# Altium PCB HVSUP_ISOL.PCBDOC (part 1 of 3)
Units mm, origin at the board's own origin, x right, y up, seen from the top; angles counter-clockwise.
Board outline 222.63 x 100.1 mm, 4 copper layers (Top, L2, L3, Bot), stack 1.6 mm thick; 181 components, 125 nets, 625 pads, 624 vias.
Unrouted connection lines stored in the file: 1.
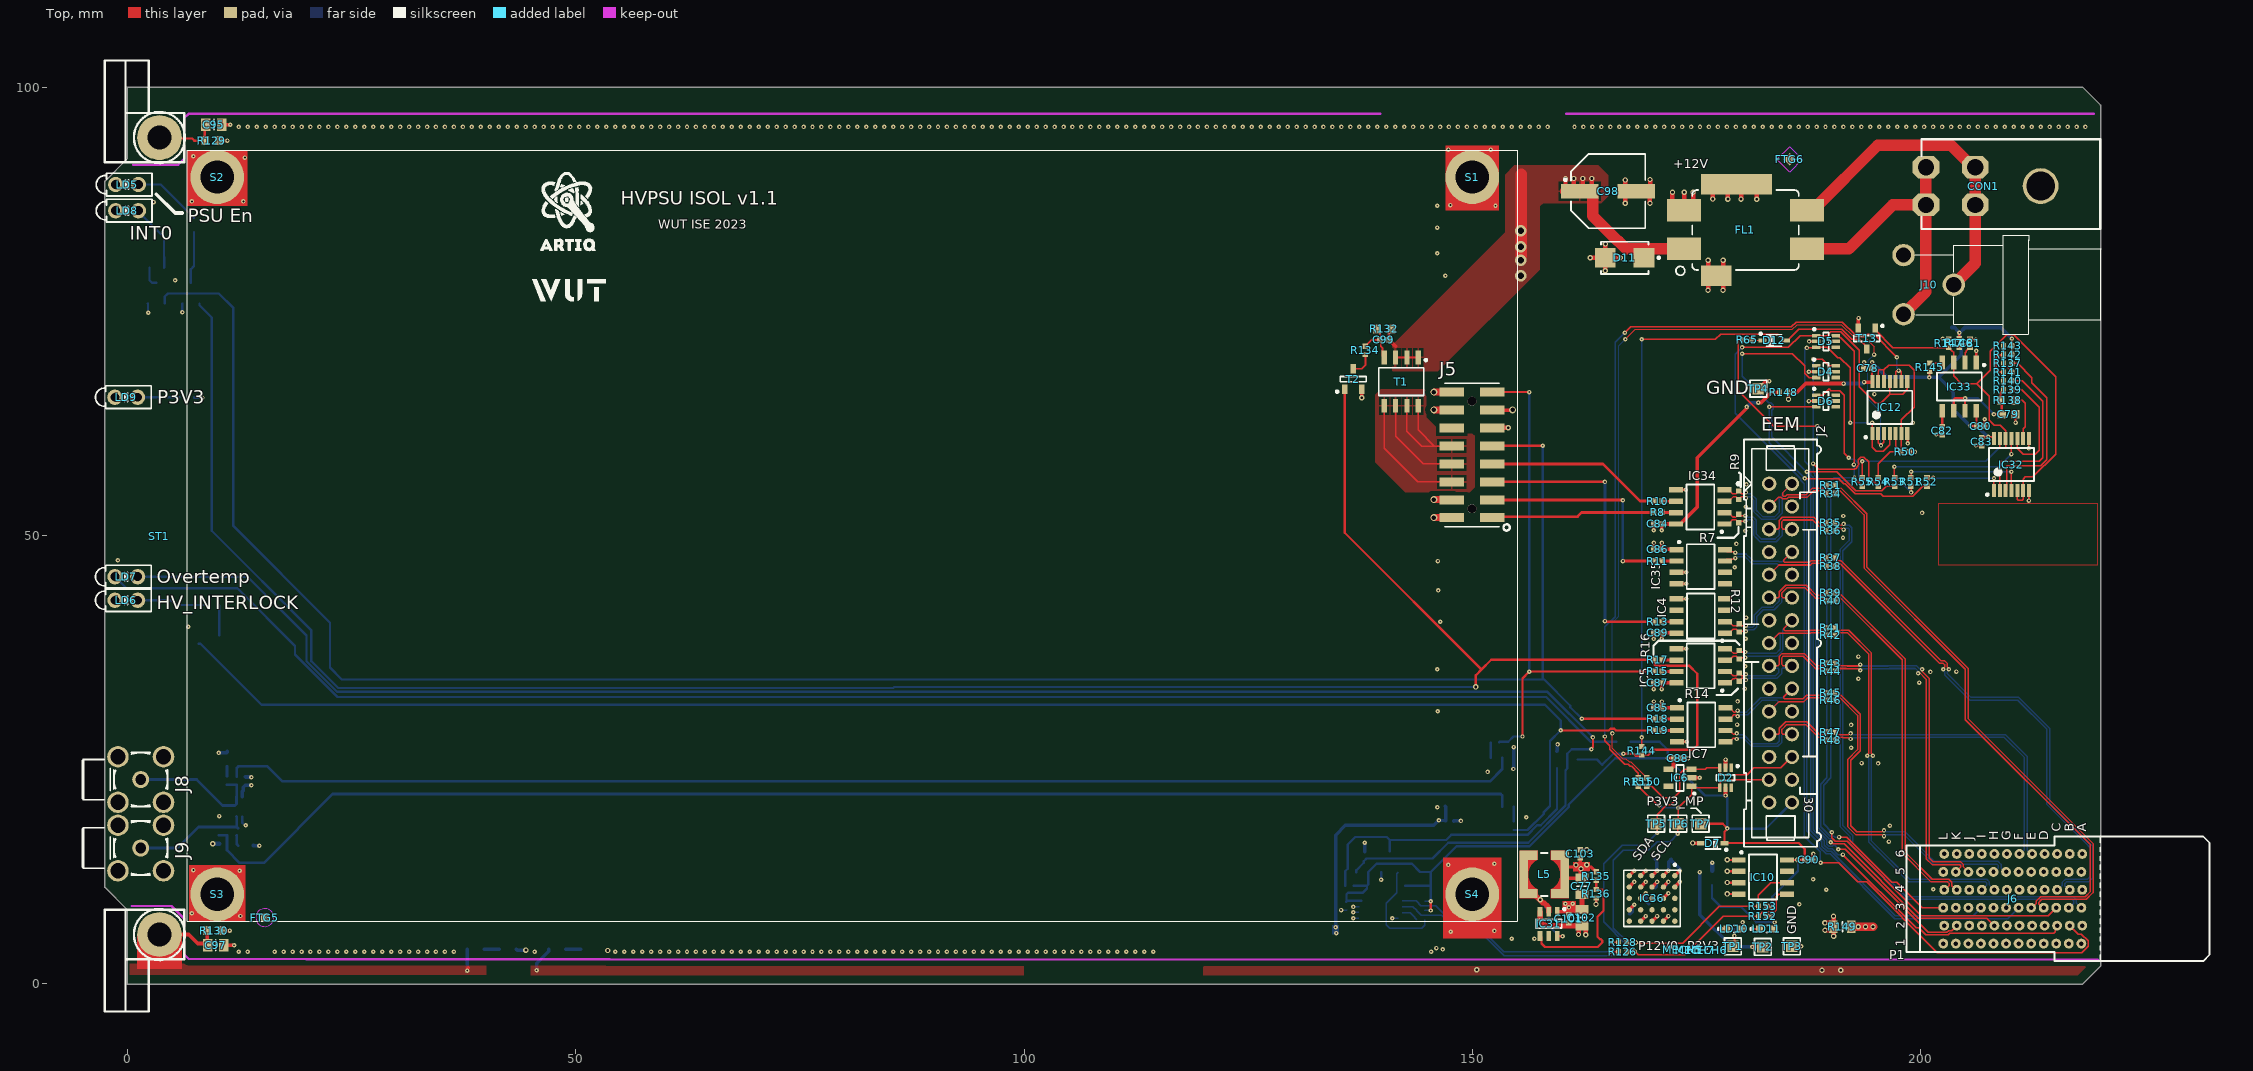
[diagram p0: Top view]
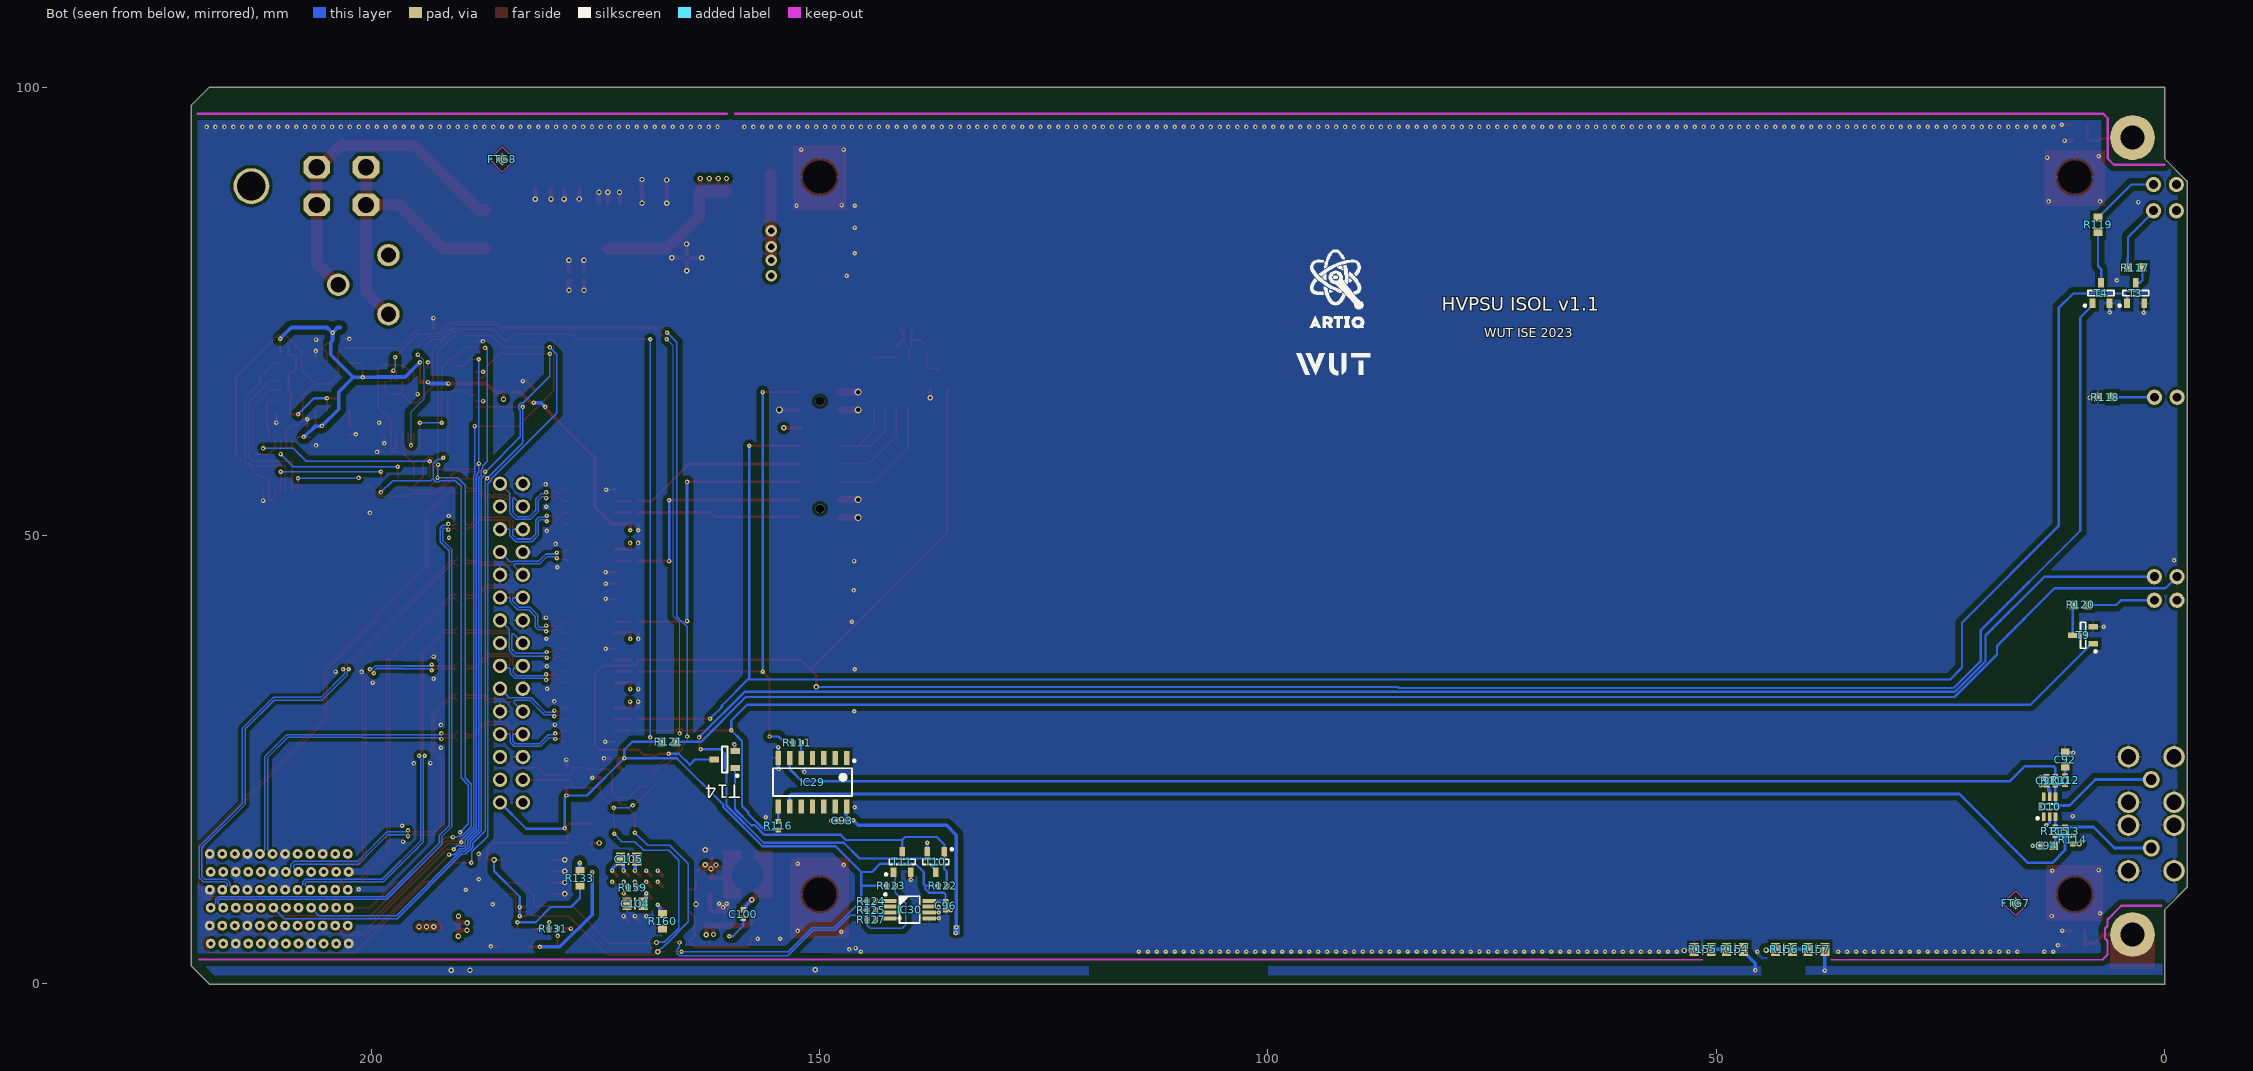
[diagram p1: Bot view, seen from below]
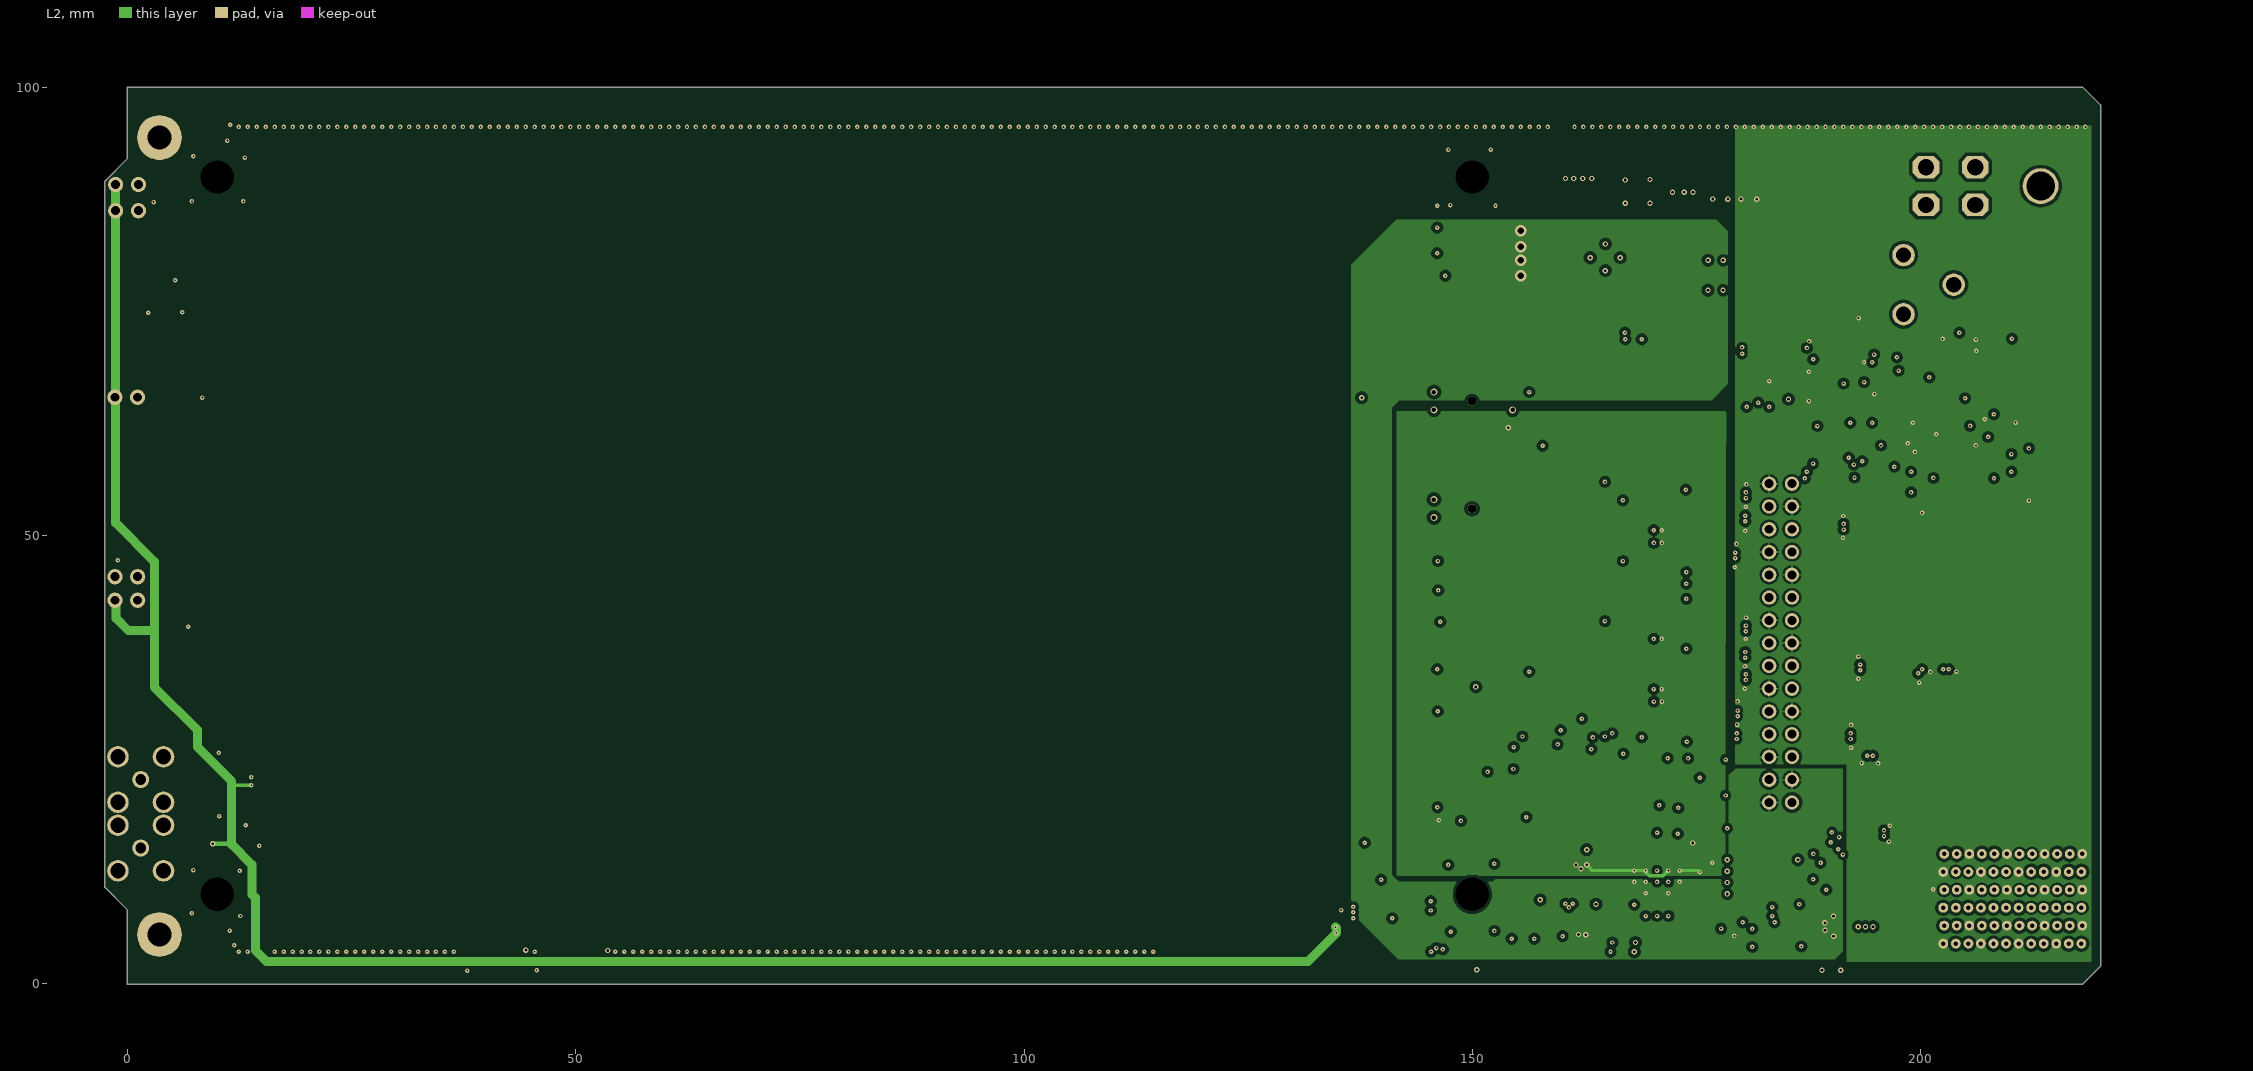
[diagram p2: L2]
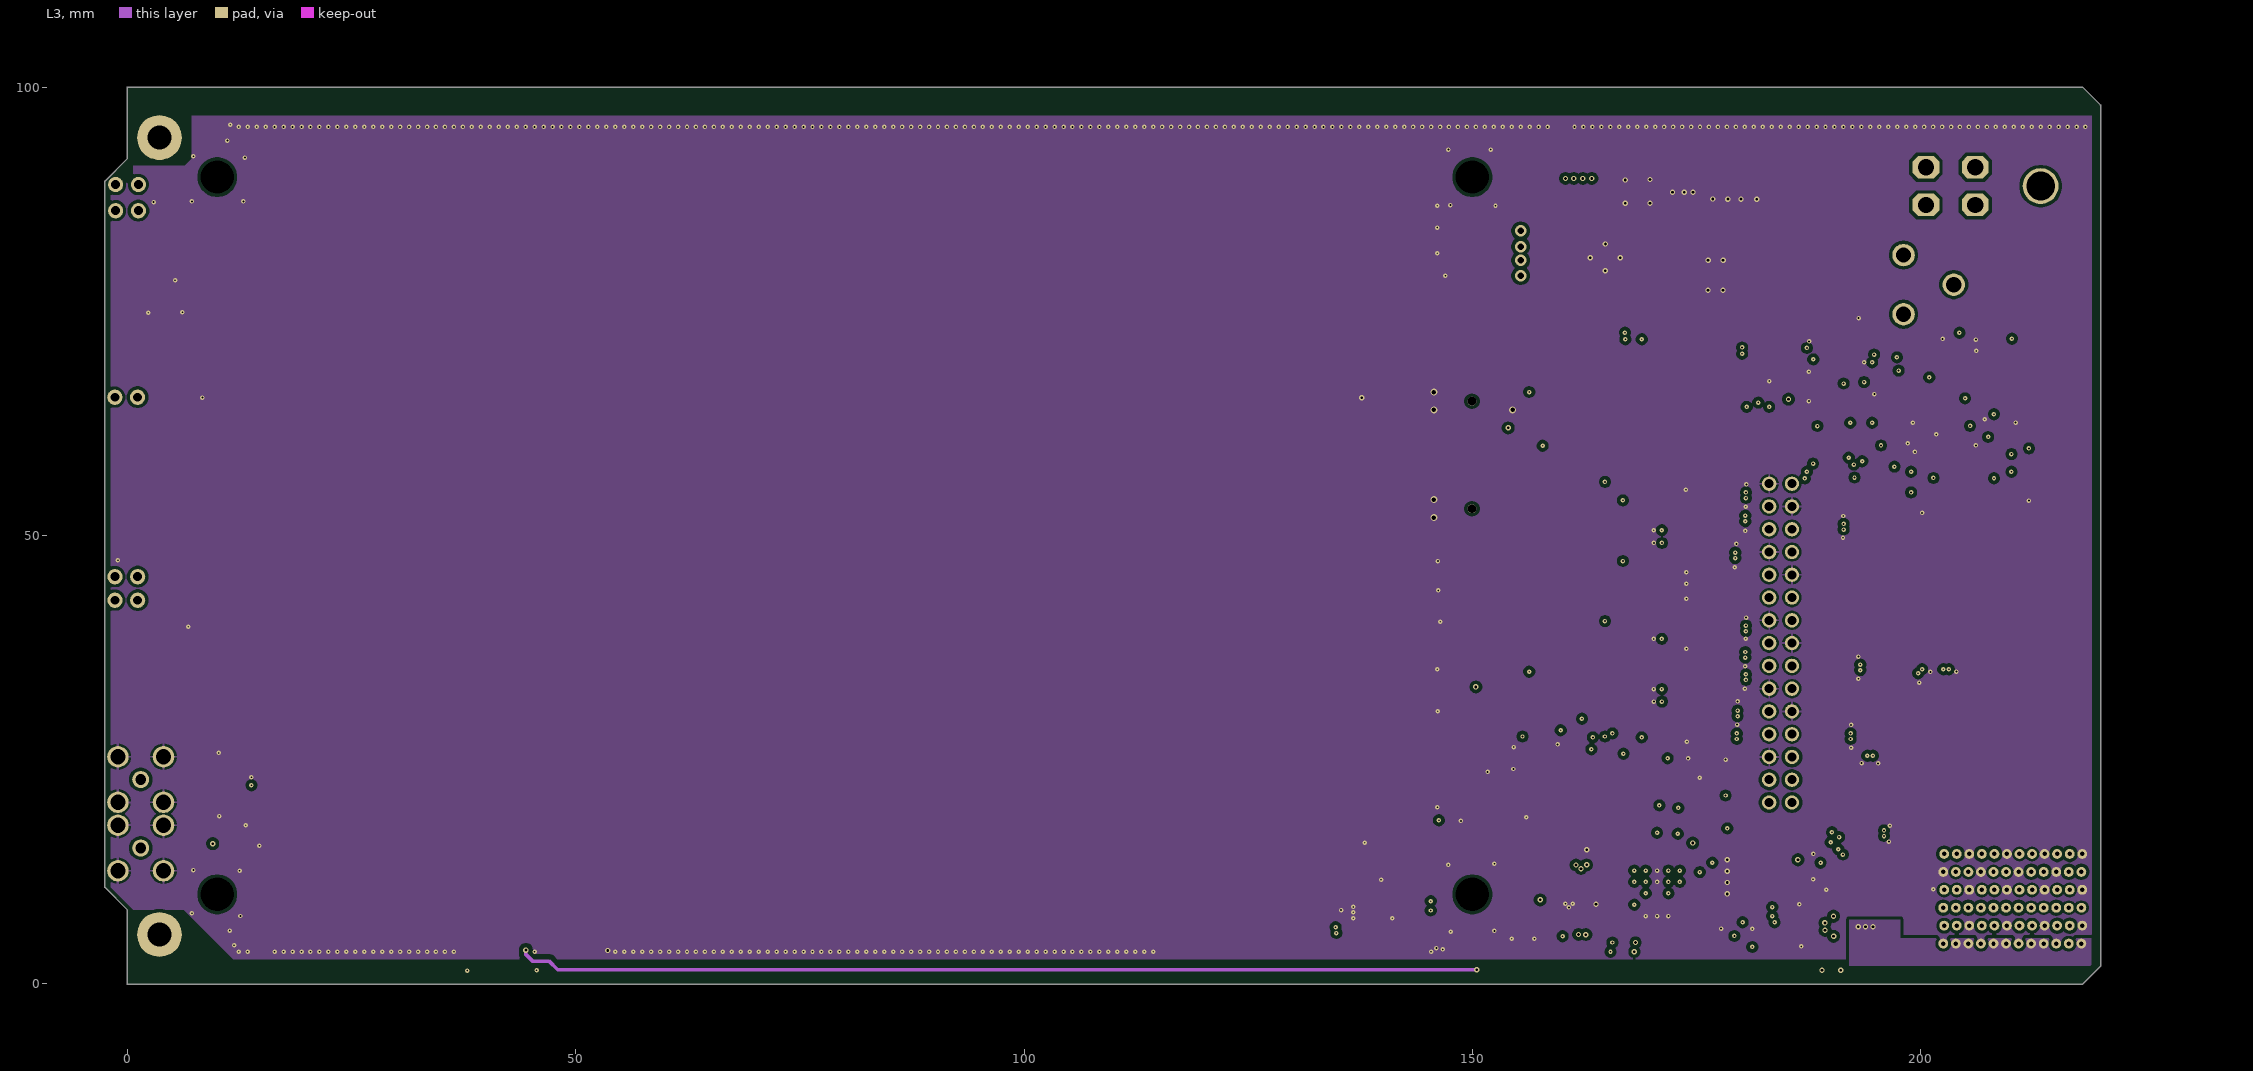
[diagram p3: L3]
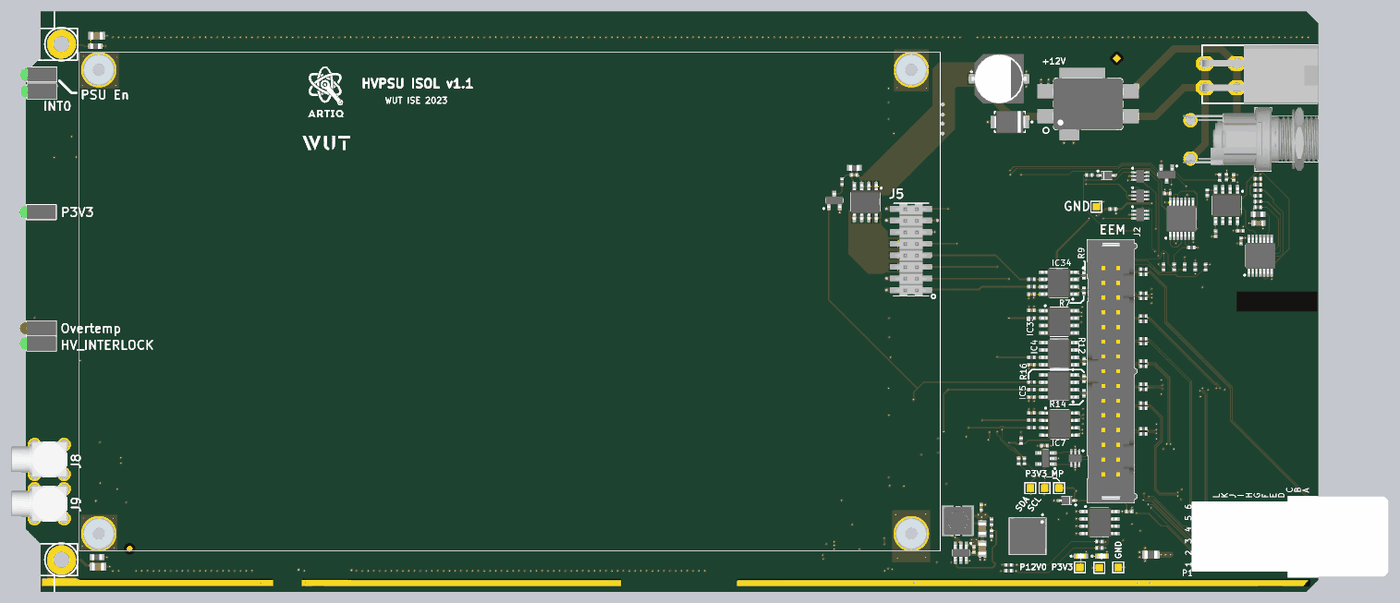
[diagram p6: 3D render of the assembled board from above, using the file's embedded part models]
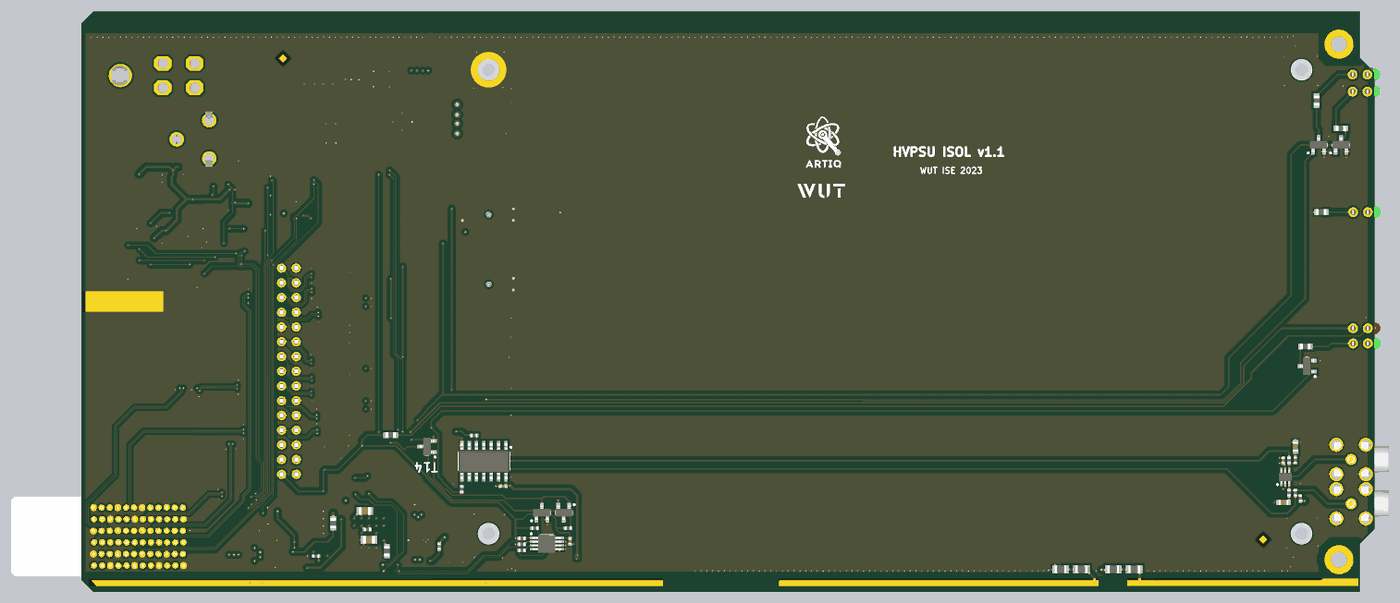
[diagram p7: 3D render of the assembled board from below, using the file's embedded part models]

## Layer stack, top to bottom
TopSolder: solder mask 0.0102, Solder Resist, Dk 3.5
Top: signal copper 0.035
Dielectric1: core 0.18, FR-4, Dk 4.2
L2: signal copper 0.035
Dielectric 3: prepreg 1.1, FR-4, Dk 4.2
L3: signal copper 0.035
Dielectric2: core 0.18, FR-4, Dk 4.2
Bot: signal copper 0.035
BottomSolder: solder mask 0.0102, Solder Resist, Dk 3.5

## Board outline
-2.54,10.82 -2.54,15.138 cw(c-2.489,15.138) -2.539,15.142 cw(c-2.489,15.145) -2.54,15.145 -2.54,22.645 -2.54,89.511 cw(c-2.489,89.511) -2.525,89.547 -0.05,92.021 -0.05,100 cw(c0,100) 0,100.05 159.99,100.05 cw(c159.995,100) 159.995,100.05 218.037,100.05 cw(c218.039,100) 218.075,100.036 220.074,98.036 cw(c220.039,98) 220.089,98 220.089,2 cw(c220.039,2) 220.074,1.964 218.075,-0.035 cw(c218.039,0) 218.039,-0.05 0,-0.05 cw(c0,0) -0.05,0 -0.05,8.299 -2.525,10.773 cw(c-2.489,10.809) -2.539,10.815 cw(c-2.489,10.82)

## Design rules (kind name [scope] priority, off if disabled: settings)
AcuteAngle [All] p1: minimum=6.00000000000000E+0001 checktracksonly=FALSE
BoardOutlineClearance [not (OnLayer('TopOverlay')  or  OnLayer('BottomOverlay') )] p1: gap=0.254 ignorepadtopadclearanceinfootprint=FALSE except(0: Arc-SplitContinuation Track-SplitContinuation SMDPad-SplitContinuation THPad-SplitContinuation Via-SplitContinuation Fill-SplitContinuation Poly-SplitContinuation Region-SplitContinuation Text-SplitContinuation)
Clearance Clearance_HV [InNetClass('HV') vs not InNetClass('HV')] p1: gap=1 ignorepadtopadclearanceinfootprint=FALSE
Clearance Clearance_balancing [InNamedPolygon('balancing')            or InNamedPolygon('balancing_top')] p2: gap=0.3 ignorepadtopadclearanceinfootprint=FALSE
Clearance Clearance_DIFF [(InDifferentialPairClass('All Differential Pairs'))] p3: gap=0.127 ignorepadtopadclearanceinfootprint=FALSE except(0: Arc-Hole Track-Hole SMDPad-Hole THPad-Hole Via-Hole Fill-Hole Poly-Hole Region-Hole Text-Hole; 0.254: Arc-Poly THPad-Poly Fill-Poly Poly-Poly Poly-Region Poly-Text; 0.4: Track-Poly SMDPad-Poly Via-Poly)
Clearance [All] p4: gap=0.127 ignorepadtopadclearanceinfootprint=FALSE except(0: Arc-Hole Track-Hole SMDPad-Hole THPad-Hole Via-Hole Fill-Hole Poly-Hole Region-Hole Text-Hole; 0.35: THPad-Poly; 0.4: Arc-Poly SMDPad-Poly Via-Poly Fill-Poly Poly-Poly; 0.6: Track-Poly)
ComponentClearance [All] p1 off: gap=0.254 collisioncheckmode=3 verticalgap=0.254 showdistances=FALSE
DiffPairsRouting [All] p1: maxlimit=0.178 minlimit=0.127 mostfreqgap=0.152 toplayer_maxgap=0.127 toplayer_prefgap=0.127 toplayer_minwidth=0.172 toplayer_maxwidth=0.172 toplayer_prefwidth=0.172 bottomlayer_maxgap=0.127 bottomlayer_prefgap=0.127 bottomlayer_minwidth=0.172 bottomlayer_maxwidth=0.172 bottomlayer_prefwidth=0.172 impedanceprofiledriven=TRUE impedanceprofileid={53221982-2822-421F-BC51-AEF25F9C0D2D} impedanceprofilevalue=100.000000 maxuncoupledlength=12.7
FabricationTestPointUsage TestPointUsage [All] p1: valid=0 allowmultiple=FALSE
FabricationTestpoint Testpoint [All] p1: side=3 testpointundercomponent=TRUE minsize=1.016 maxsize=2.54 preferedsize=1.524 minholesize=0.508 maxholesize=1.016 preferedholesize=0.813 testpointgrid=0.025 allowsidetop=TRUE allowsidebottom=TRUE usegrid=TRUE gridtolerance=0
Height [All] p1 off: minheight=0 maxheight=25.4 prefheight=12.7
HoleSize [All] p1: absolutevalues=TRUE maxlimit=3.81 minlimit=0.2 maxpercent=80.000 minpercent=20.000
HoleToHoleClearance [All] p1: gap=0.25 allowstackedmicrovias=FALSE
MinimumAnnularRing [All] p1: minimumring=0.1
MinimumSolderMaskSliver [All] p1: minsoldermaskwidth=0
PlaneClearance PlaneClearance_HV [InNetClass('HV')] p1: clearance=1
PlaneClearance [All] p2: clearance=0.254
PlaneConnect [All] p1: planeconnectstyle=Direct reliefexpansion=0.508 reliefentries=4 reliefconductorwidth=0.254 reliefairgap=0.254
PolygonConnect PolygonConnect_pad [(InPadClass('All Pads') and not InComponent('J6'))] p1: connectstyle=Relief reliefconductorwidth=0.254 reliefentries=4 polygonreliefangle="90 Angle" airgapwidth=0.254
PolygonConnect [All] p2: connectstyle=Direct reliefconductorwidth=0.254 reliefentries=4 polygonreliefangle="45 Angle" airgapwidth=0.254
RoomDefinition HVSUP_ISOL [InComponentClass('HVSUP_ISOL')] p1: confinementstyle=ConfineIn formatcopy=TRUE lockcomponents=FALSE outline -101.6,-152.4 -50.8,-152.4 -50.8,-127 -101.6,-127
RoomDefinition U_DIOT_Connectors [InComponentClass('U_DIOT_Connectors')] p2: confinementstyle=ConfineIn formatcopy=TRUE lockcomponents=FALSE outline 161.149,1.6 336.649,1.6 336.649,10.6 161.149,10.6
RoomDefinition U_Supply_HV_ISOL [InComponentClass('U_Supply_HV_ISOL')] p3: confinementstyle=ConfineIn formatcopy=TRUE lockcomponents=FALSE outline 161.138,126.414 497.004,126.414 497.004,158.265 161.138,158.265
RoomDefinition EEM_connector [InComponentClass('EEM_connector')] p4 off: confinementstyle=ConfineIn formatcopy=TRUE lockcomponents=FALSE outline 145.554,8.308 157.75,8.308 157.75,58.925 145.554,58.925
RoutingVias "Schematic Routing Via Style" [InNetClass('Hpower')] p1: holewidth=0.5 width=0.7 viastyle="Through Hole" minholewidth=0.5 minwidth=0.7 maxholewidth=0.711 maxwidth=1.27
RoutingVias [All] p2: holewidth=0.2 width=0.5 viastyle="Through Hole" minholewidth=0.2 minwidth=0.5 maxholewidth=0.711 maxwidth=1.27
SilkToSilkClearance [All] p1: silktosilkclearance=0
SilkToSolderMaskClearance SilkscreenOverComponentPads [IsPad] p1: minsilkscreentomaskgap=0 clearancetoexposedcopper=TRUE
SolderMaskExpansion SolderMaskExpansion_via [IsVia] p1: expansion=0.102 istentingtop=TRUE
SolderMaskExpansion [All] p2: expansion=0.051 istentingtop=FALSE
UnRoutedNet [not InNet('STRIP1')] p1:
Width "Schematic Width Constraint" [InNetClass('Hpower')] p1: maxlimit=1.27 minlimit=0.381 preferedwidth=0.508
Width Z50R [InNetClass('SPI')] p2: maxlimit=0.3 minlimit=0.225 preferedwidth=0.3 toplayer_minwidth=0.3 midlayer1_maxwidth=0.226 midlayer1_prefwidth=0.226 bottomlayer_minwidth=0.3 impedanceprofiledriven=TRUE impedanceprofileid={EFEE2A6A-61C3-48C3-95D8-2A8A95BD24BA} impedanceprofilevalue=50.000000 minimp=50.000000 maximp=50.000000 favimp=50.000000
Width [All] p3: maxlimit=1.27 minlimit=0.127 preferedwidth=0.127
17 further rules are at their usual default settings.
